# Altium PCB 606-100835-r03.pcbdoc (part 1 of 3)
Units mm, origin at the board's own origin, x right, y up, seen from the top; angles counter-clockwise.
Board outline 27 x 28.35 mm, 6 copper layers (Layer 1, Layer 2, Layer 3, Layer 4, Layer 5, Layer 6), stack 1.518 mm thick; 145 components, 197 nets, 755 pads, 438 vias.
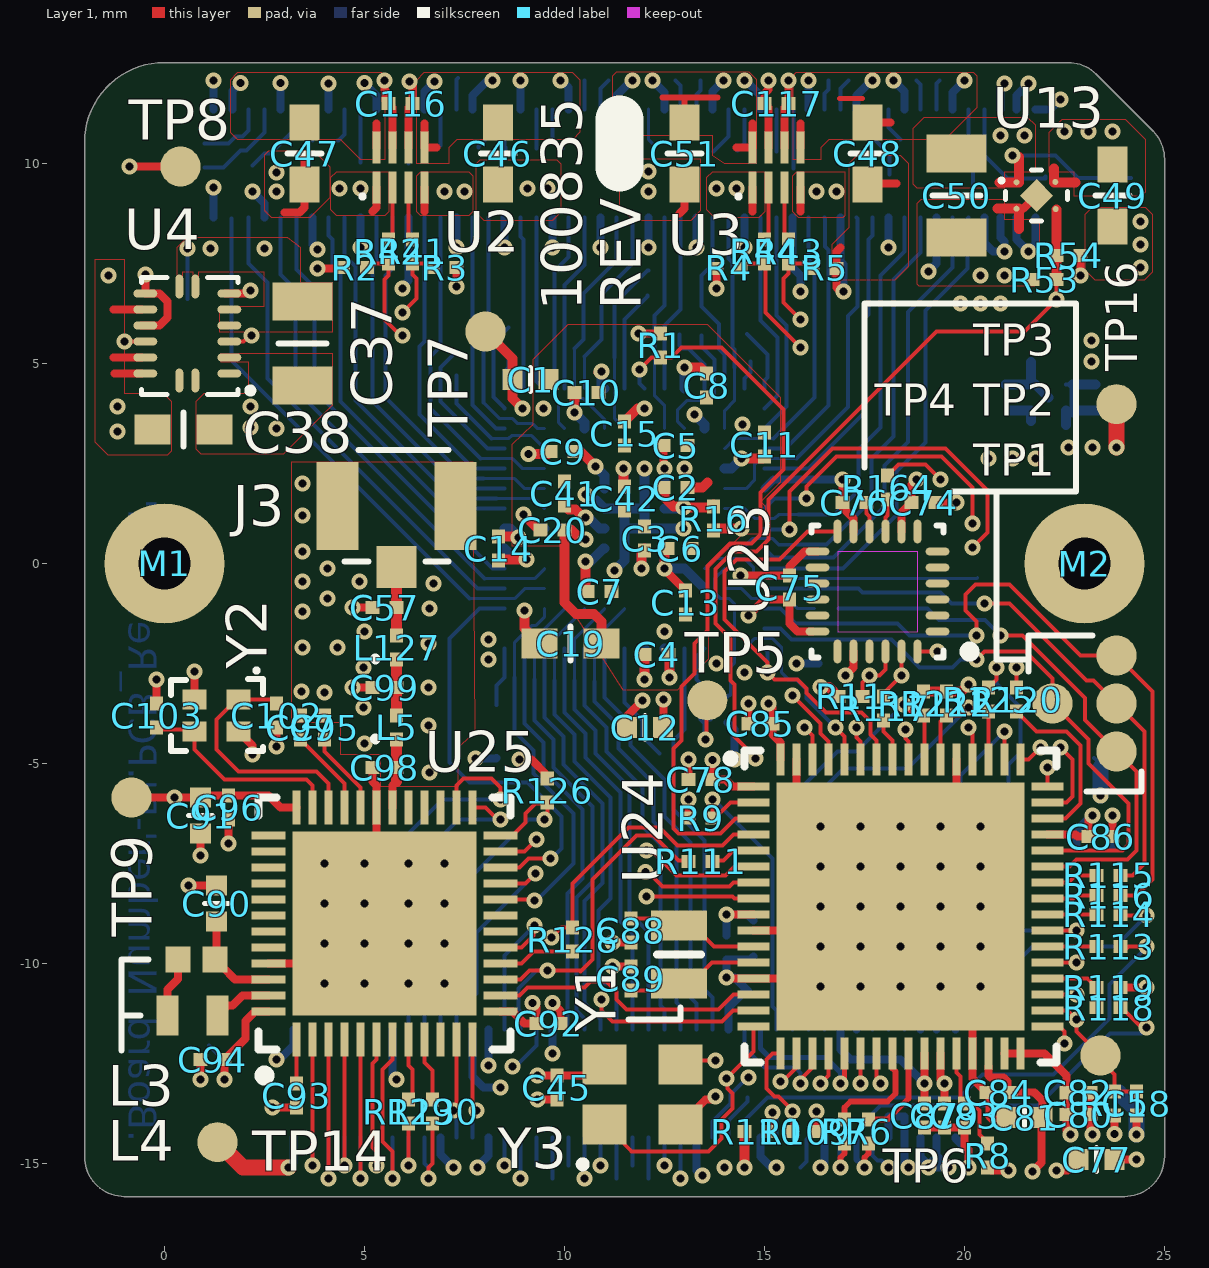
[diagram p0: Layer 1 view]
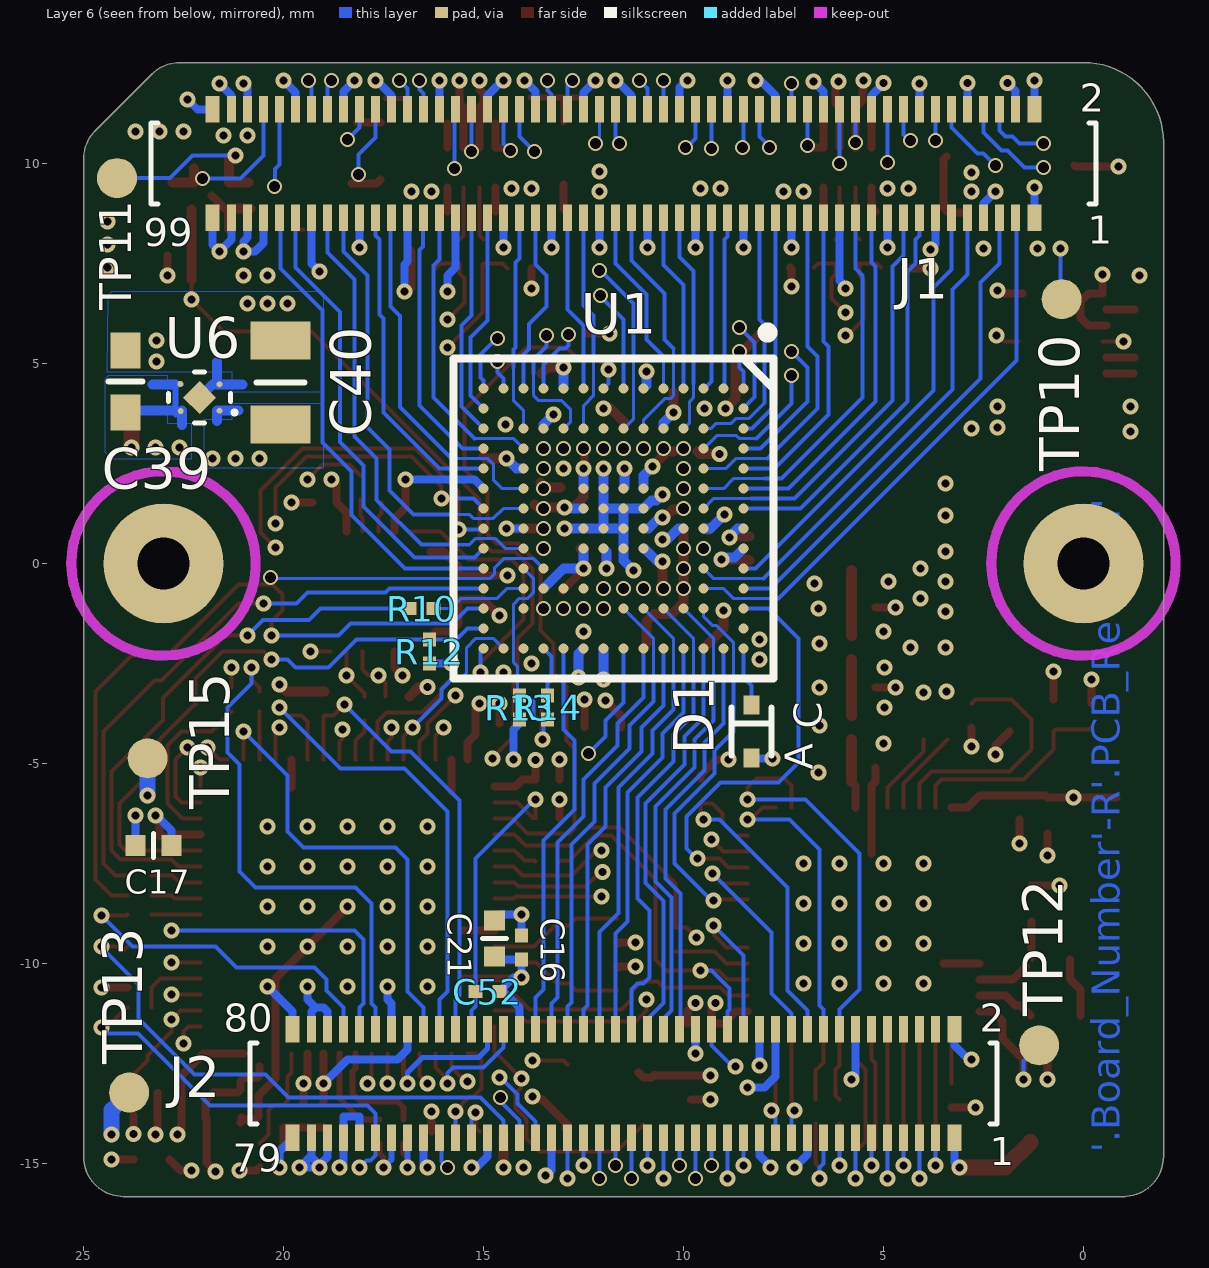
[diagram p1: Layer 6 view, seen from below]
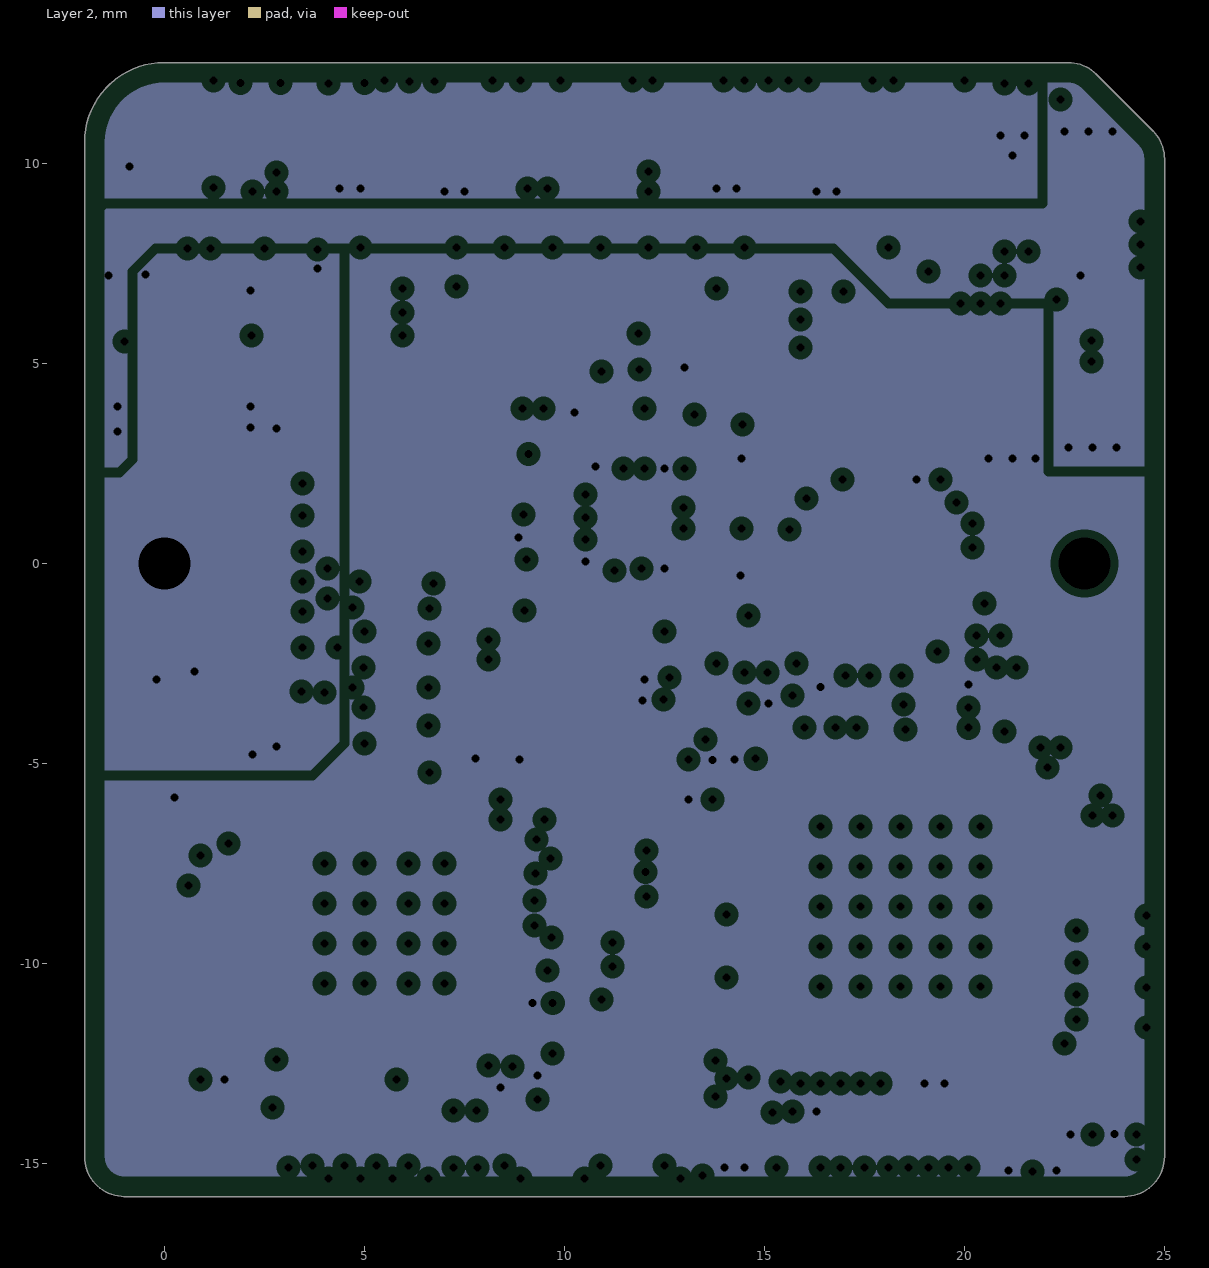
[diagram p2: Layer 2, clearances drawn from the general rule]
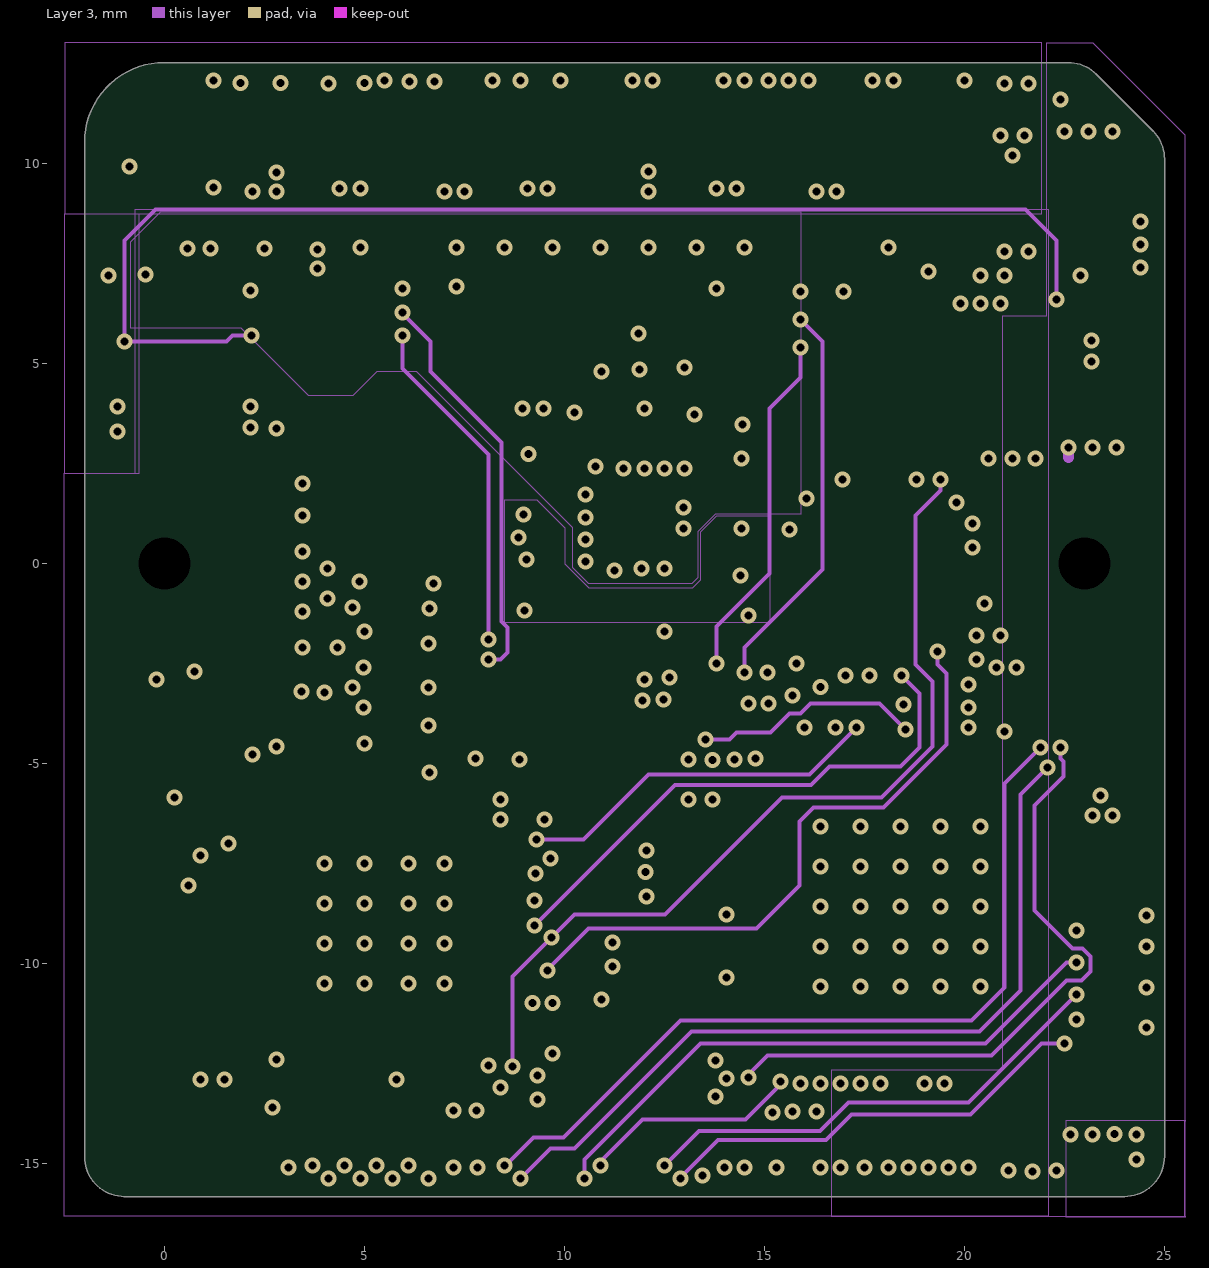
[diagram p3: Layer 3]
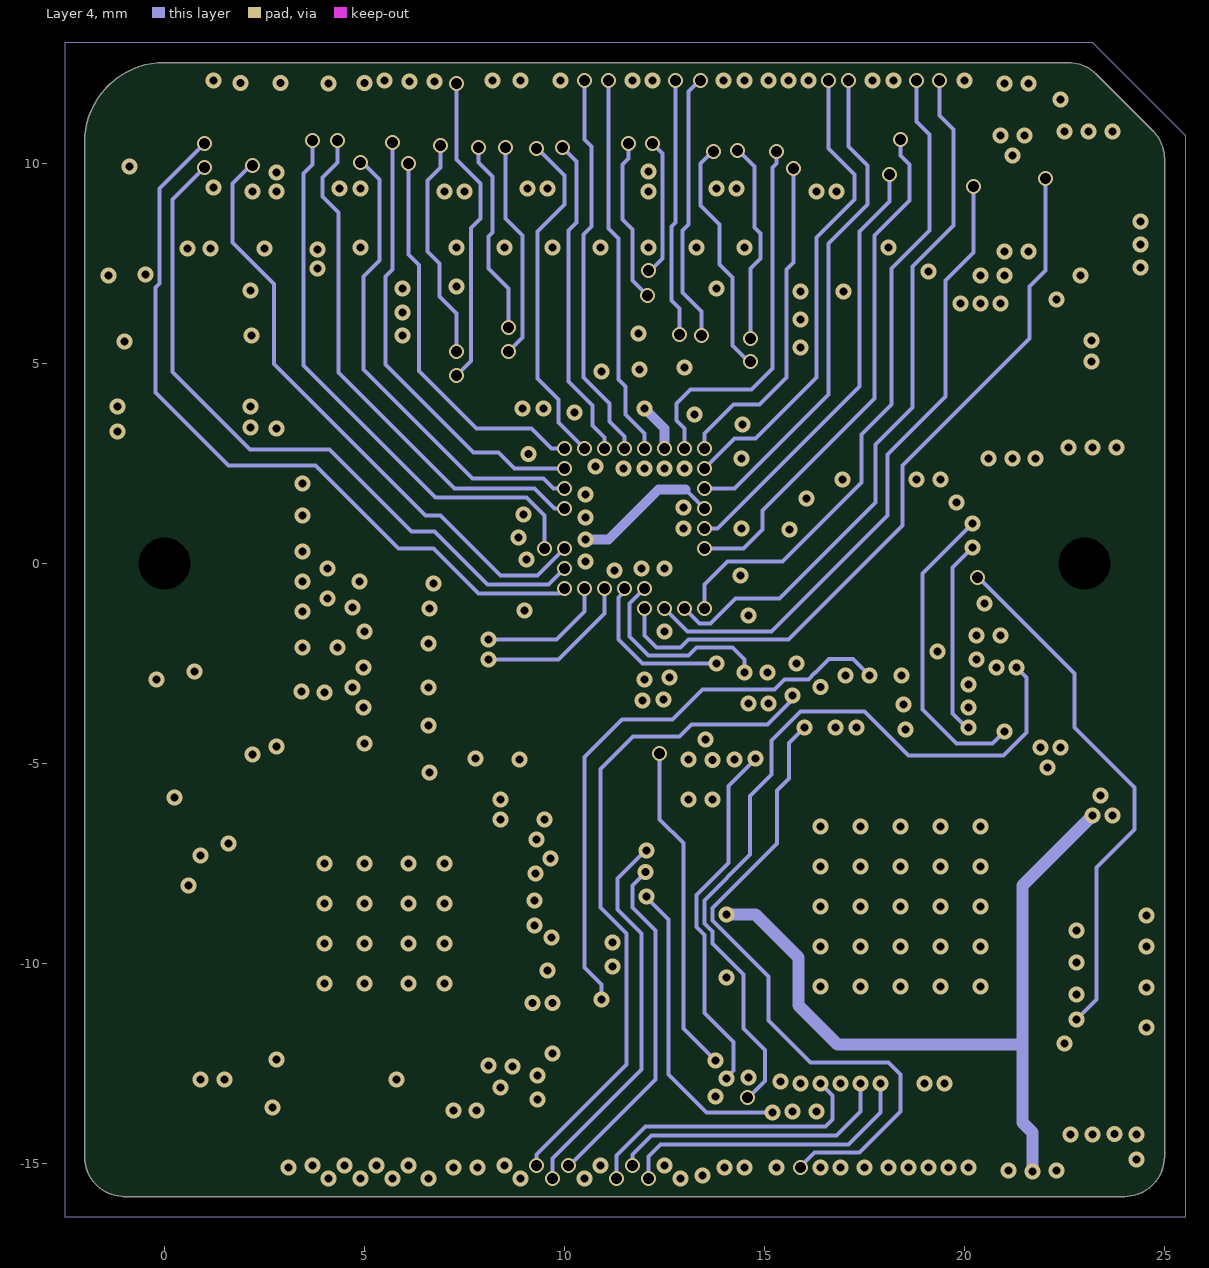
[diagram p4: Layer 4]
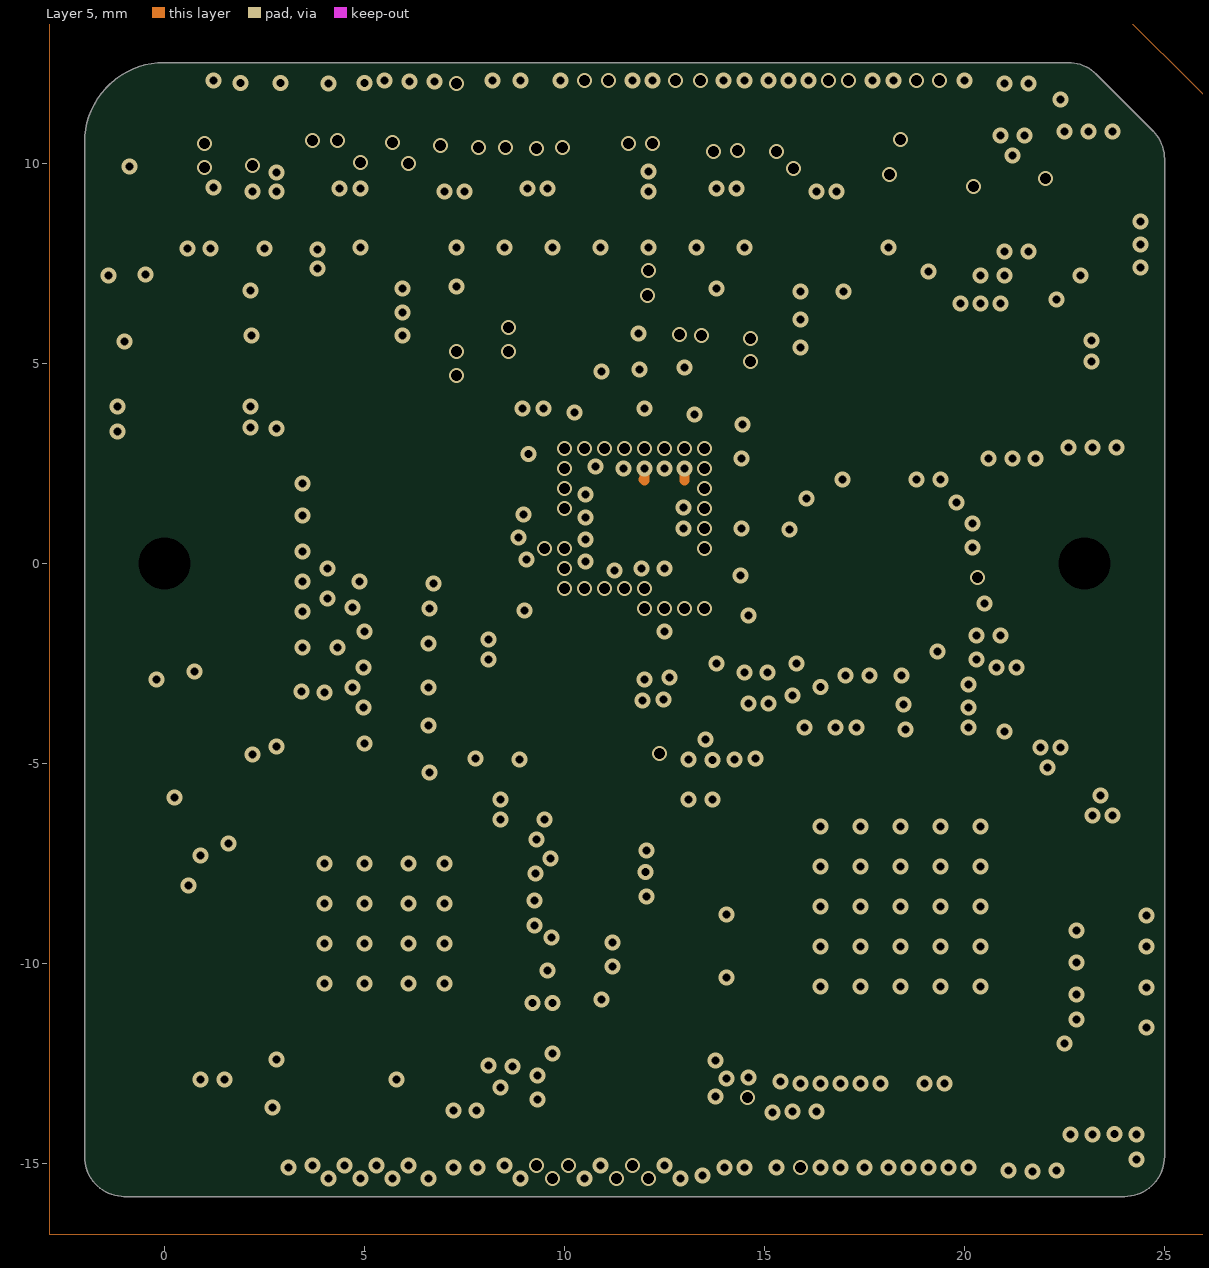
[diagram p5: Layer 5]

## Layer stack, top to bottom
Top Solder: solder mask 0.0178, Solder Resist, Dk 3.5
Layer 1: signal copper 0.0444
Dielectric 1: prepreg 0.0723, Dk 4.2
Layer 2: plane copper 0.0152, net (Multiple Nets)
Dielectric 2: core 0.1016, Dk 4.2
Layer 3: signal copper 0.0152
Dielectric 3: core 1.0205, Dk 4.2
Layer 4: signal copper 0.0152
Dielectric 4: core 0.1016, Dk 4.2
Layer 5: signal copper 0.0152
Dielectric 5: core 0.0716, Dk 4.2
Layer 6: signal copper 0.0444
Bottom Solder: solder mask 0.0178, Solder Resist, Dk 3.5

## Board outline
-2,-14.825 ccw(c-1,-14.825) -1,-15.825 -1.025,-15.825 24,-15.825 ccw(c24,-14.825) 25,-14.825 25,10.111 ccw(c24,10.111) 24.707,10.818 23.293,12.232 ccw(c22.586,11.525) 22.586,12.525 22.611,12.525 0,12.525 ccw(c0,10.525) -2,10.525 -2,10.5

## Design rules (kind name [scope] priority, off if disabled: settings)
AssemblyTestPointUsage [All] p0 off: scope1count=1 scope1_0_kind=Board scope1_0_value=Board scope2count=1 scope2_0_kind=Board scope2_0_value=Board commentlength=0
AssemblyTestPointUsage [All] p1 off:
AssemblyTestpoint [All] p0 off: scope1count=1 scope1_0_kind=Board scope1_0_value=Board scope2count=1 scope2_0_kind=Board scope2_0_value=Board commentlength=0
AssemblyTestpoint [All] p1 off: testpointundercomponent=TRUE minsize=1.016 maxsize=2.54 preferedsize=1.524 minholesize=0 maxholesize=1.016 preferedholesize=0.813 testpointgrid=0.025 usegrid=TRUE gridtolerance=0 allowsidetop=TRUE allowsidebottom=TRUE
BoardOutlineClearance [All] p0 off: scope1count=1 scope1_0_kind=Board scope1_0_value=Board scope2count=1 scope2_0_kind=Board scope2_0_value=Board commentlength=52 gap=0.25 // Protel DXP Scope 1 Expression Was: NOT IsKeepOut
BoardOutlineClearance [NOT IsKeepOut] p1: gap=0.25 except(0: Text-OutlineEdge)
Clearance thieving_1 [All] p0: scope1count=1 scope1_0_kind=Net scope1_0_value=thieving-temp scope2count=1 scope2_0_kind=Board scope2_0_value=Board commentlength=0 gap=0.3
Clearance U6andU13 [All] p0 off: scope1count=1 scope1_0_kind=PadClass scope1_0_value=U6andU13Clearance scope2count=1 scope2_0_kind=Board scope2_0_value=Board commentlength=57 gap=0.094 // Protel DXP Scope 2 Expression Was: IsRegion or InPoly
Clearance BGA_SPACING [All] p0 off: scope1count=1 scope1_0_kind=Board scope1_0_value=Board scope2count=1 scope2_0_kind=Layer scope2_0_value=BOTTOM commentlength=67 gap=0.083 // Protel DXP Scope 1 Expression Was: TouchesRoom('clearance_bga')
Clearance "keepout shapes" [All] p0 off: scope1count=1 scope1_0_kind=Board scope1_0_value=Board scope2count=1 scope2_0_kind=Board scope2_0_value=Board commentlength=48 gap=0 // Protel DXP Scope 1 Expression Was: IsKeepOut
Clearance [All] p0: scope1count=1 scope1_0_kind=Board scope1_0_value=Board scope2count=1 scope2_0_kind=Board scope2_0_value=Board commentlength=0 gap=0.1
Clearance thieving [All] p0 off: scope1count=1 scope1_0_kind=Board scope1_0_value=Board scope2count=1 scope2_0_kind=Board scope2_0_value=Board commentlength=65 gap=0.3 // Protel DXP Scope 1 Expression Was: InPolygonClass('thieving')
Clearance thieving [InPolygonClass('thieving')] p1: gap=0.3
Clearance thieving_1 [InNet('thieving-temp')] p2: gap=0.3
Clearance U6andU13 [InPadClass('U6andU13Clearance') vs IsRegion or InPoly] p3: gap=0.094
Clearance BGA_SPACING [TouchesRoom('clearance_bga') vs OnLayer('Layer 6')] p4: gap=0.083 except(0.05: SMDPad-Region)
Clearance "keepout shapes" [IsKeepOut] p5: gap=0
Clearance [All] p6: gap=0.1 except(0.2: Arc-Poly Track-Poly SMDPad-Poly THPad-Poly Via-Poly Fill-Poly Poly-Poly)
ComponentClearance [All] p0 off: scope1count=1 scope1_0_kind=Board scope1_0_value=Board scope2count=1 scope2_0_kind=Board scope2_0_value=Board commentlength=0 gap=0.2 collisioncheckmode=3
ComponentClearance [All] p1 off: gap=0.2 collisioncheckmode=3 verticalgap=0.127 showdistances=TRUE
DiffPairsRouting [All] p0 off: scope1count=1 scope1_0_kind=Board scope1_0_value=Board scope2count=1 scope2_0_kind=Board scope2_0_value=Board commentlength=77 // Protel DXP Scope 1 Expression Was: InDifferentialPairClass('90OHMS_DIFF')
DiffPairsRouting [InDifferentialPairClass('90OHMS_DIFF')] p1: maxlimit=0.152 minlimit=0.152 mostfreqgap=0.152 toplayer_minwidth=0.146 toplayer_maxwidth=0.146 toplayer_prefwidth=0.146 midlayer1_minwidth=0.146 midlayer1_maxwidth=0.146 midlayer1_prefwidth=0.146 midlayer3_minwidth=0.146 midlayer3_maxwidth=0.146 midlayer3_prefwidth=0.146 midlayer4_minwidth=0.146 midlayer4_maxwidth=0.146 midlayer4_prefwidth=0.146 bottomlayer_minwidth=0.146 bottomlayer_maxwidth=0.146 bottomlayer_prefwidth=0.146 maxuncoupledlength=12.7
FabricationTestPointUsage [All] p0 off: scope1count=1 scope1_0_kind=Board scope1_0_value=Board scope2count=1 scope2_0_kind=Board scope2_0_value=Board commentlength=0 valid=0 allowmultiple=FALSE
FabricationTestPointUsage [All] p1 off: valid=0 allowmultiple=FALSE
FabricationTestpoint [All] p0 off: scope1count=1 scope1_0_kind=Board scope1_0_value=Board scope2count=1 scope2_0_kind=Board scope2_0_value=Board commentlength=0 side=3 testpointundercomponent=TRUE minsize=1.016 maxsize=2.54 preferedsize=1.524 minholesize=0 maxholesize=1.016 preferedholesize=0.813 testpointgrid=0.025
FabricationTestpoint [All] p1 off: side=3 testpointundercomponent=TRUE minsize=1.016 maxsize=2.54 preferedsize=1.524 minholesize=0 maxholesize=1.016 preferedholesize=0.813 testpointgrid=0.025 allowsidetop=TRUE allowsidebottom=TRUE usegrid=TRUE gridtolerance=0
FanoutControl Fanout_Default [All] p0: scope1count=1 scope1_0_kind=Board scope1_0_value=Board scope2count=1 scope2_0_kind=Board scope2_0_value=Board commentlength=30 // Fanout_Default (Default Rule)
FanoutControl Fanout_Small [All] p0 off: scope1count=1 scope1_0_kind=Board scope1_0_value=Board scope2count=1 scope2_0_kind=Board scope2_0_value=Board commentlength=84 // Protel DXP Scope 1 Expression Was: (CompPinCount < 5)   Fanout_Small (Default Rule)
FanoutControl Fanout_SOIC [All] p0 off: scope1count=1 scope1_0_kind=Board scope1_0_value=Board scope2count=1 scope2_0_kind=Board scope2_0_value=Board commentlength=71 // Protel DXP Scope 1 Expression Was: IsSOIC   Fanout_SOIC (Default Rule)
FanoutControl Fanout_LCC [All] p0 off: scope1count=1 scope1_0_kind=Board scope1_0_value=Board scope2count=1 scope2_0_kind=Board scope2_0_value=Board commentlength=69 // Protel DXP Scope 1 Expression Was: IsLCC   Fanout_LCC (Default Rule)
FanoutControl Fanout_BGA [All] p0 off: scope1count=1 scope1_0_kind=Board scope1_0_value=Board scope2count=1 scope2_0_kind=Board scope2_0_value=Board commentlength=69 // Protel DXP Scope 1 Expression Was: IsBGA   Fanout_BGA (Default Rule)
Height [All] p0: scope1count=1 scope1_0_kind=Board scope1_0_value=Board scope2count=1 scope2_0_kind=Board scope2_0_value=Board commentlength=0
HoleSize [All] p0: scope1count=1 scope1_0_kind=Board scope1_0_value=Board scope2count=1 scope2_0_kind=Board scope2_0_value=Board commentlength=0 absolutevalues=TRUE maxlimit=6 minlimit=0.025 maxpercent=80.000 minpercent=20.000
HoleSize [All] p1: absolutevalues=TRUE maxlimit=6 minlimit=0.025 maxpercent=80.000 minpercent=20.000
HoleToHoleClearance HoleToHoleClearance_1 [All] p0 off: scope1count=1 scope1_0_kind=Board scope1_0_value=Board scope2count=1 scope2_0_kind=Board scope2_0_value=Board commentlength=76 // Protel DXP Scope 2 Expression Was: InDrillLayerPair('Layer 5 - Layer 6')
HoleToHoleClearance [All] p0: scope1count=1 scope1_0_kind=Board scope1_0_value=Board scope2count=1 scope2_0_kind=Board scope2_0_value=Board commentlength=0
HoleToHoleClearance HoleToHoleClearance_1 [InDrillLayerPair('Layer 5 - Layer 4') vs InDrillLayerPair('Layer 5 - Layer 6')] p1: gap=0 allowstackedmicrovias=TRUE
HoleToHoleClearance [All] p2: gap=0.2 allowstackedmicrovias=TRUE
LayerPairs [All] p0: scope1count=1 scope1_0_kind=Board scope1_0_value=Board scope2count=1 scope2_0_kind=Board scope2_0_value=Board commentlength=0 enforce=TRUE
MinimumSolderMaskSliver [All] p0: scope1count=1 scope1_0_kind=Board scope1_0_value=Board scope2count=1 scope2_0_kind=Board scope2_0_value=Board commentlength=0
MinimumSolderMaskSliver [All] p1: minsoldermaskwidth=0.005
NetAntennae [All] p0: scope1count=1 scope1_0_kind=Board scope1_0_value=Board scope2count=1 scope2_0_kind=Board scope2_0_value=Board commentlength=0
PasteMaskExpansion [All] p0: scope1count=1 scope1_0_kind=Board scope1_0_value=Board scope2count=1 scope2_0_kind=Board scope2_0_value=Board commentlength=0 expansion=0
PlaneClearance [All] p0: scope1count=1 scope1_0_kind=Board scope1_0_value=Board scope2count=1 scope2_0_kind=Board scope2_0_value=Board commentlength=0 clearance=0.203
PlaneClearance [All] p1: clearance=0.203
PlaneConnect [All] p0: scope1count=1 scope1_0_kind=Board scope1_0_value=Board scope2count=1 scope2_0_kind=Board scope2_0_value=Board commentlength=0 planeconnectstyle=Direct reliefexpansion=0.508 reliefentries=4 reliefconductorwidth=0.254 reliefairgap=0.254
PlaneConnect [All] p1: planeconnectstyle=Direct reliefexpansion=0.508 reliefentries=4 reliefconductorwidth=0.254 reliefairgap=0.254
PolygonConnect notherm [All] p0 off: scope1count=1 scope1_0_kind=Board scope1_0_value=Board scope2count=1 scope2_0_kind=Board scope2_0_value=Board commentlength=64 connectstyle=Direct reliefconductorwidth=0.254 reliefentries=4 polygonreliefangle="90 Angle" // Protel DXP Scope 1 Expression Was: InPolygonClass('Notherm')
PolygonConnect PolygonConnect_Flood [All] p0 off: scope1count=1 scope1_0_kind=Board scope1_0_value=Board scope2count=1 scope2_0_kind=Net scope2_0_value=GND commentlength=44 connectstyle=Direct reliefconductorwidth=0.254 reliefentries=4 polygonreliefangle="90 Angle" // Protel DXP Scope 1 Expression Was: OnMid
PolygonConnect [All] p0: scope1count=1 scope1_0_kind=Board scope1_0_value=Board scope2count=1 scope2_0_kind=Board scope2_0_value=Board commentlength=0 connectstyle=Relief reliefconductorwidth=0.2 reliefentries=4 polygonreliefangle="90 Angle"
PolygonConnect Viaconnect [All] p0 off: scope1count=1 scope1_0_kind=Board scope1_0_value=Board scope2count=1 scope2_0_kind=Board scope2_0_value=Board commentlength=48 connectstyle=Direct reliefconductorwidth=0.254 reliefentries=4 polygonreliefangle="90 Angle" // Protel DXP Scope 2 Expression Was: ispolygon
PolygonConnect notherm [InPolygonClass('Notherm')] p1: connectstyle=Direct reliefconductorwidth=0.254 reliefentries=4 polygonreliefangle="90 Angle" airgapwidth=0.254
PolygonConnect PolygonConnect_Flood [OnMid vs InNet('GND')] p2: connectstyle=Direct reliefconductorwidth=0.254 reliefentries=4 polygonreliefangle="90 Angle" airgapwidth=0.254
PolygonConnect Viaconnect [isvia vs ispolygon] p3: connectstyle=Direct reliefconductorwidth=0.254 reliefentries=4 polygonreliefangle="90 Angle" airgapwidth=0.254
PolygonConnect [All] p4: connectstyle=Relief reliefconductorwidth=0.2 reliefentries=4 polygonreliefangle="90 Angle" airgapwidth=0.1
RoomDefinition clearance_bga [All] p0: scope1count=1 scope1_0_kind=Footprint scope1_0_value=LATC-csBGA-132 scope2count=1 scope2_0_kind=Board scope2_0_value=Board commentlength=0 region_x1=121034540 region_y1=55991951 region_x2=125443988 region_y2=60480140 confinementstyle=ConfineIn
RoomDefinition U_FPGA_IO [All] p0: scope1count=1 scope1_0_kind=ComponentClass scope1_0_value=U_FPGA_IO scope2count=1 scope2_0_kind=Board scope2_0_value=Board commentlength=0 region_x1=119753937 region_y1=51612030 region_x2=128464567 region_y2=62480315 confinementstyle=ConfineIn
RoomDefinition U_FPGA_Power [All] p0: scope1count=1 scope1_0_kind=ComponentClass scope1_0_value=U_FPGA_Power scope2count=1 scope2_0_kind=Board scope2_0_value=Board commentlength=0 region_x1=121161417 region_y1=55590551 region_x2=124803150 region_y2=59822835 confinementstyle=ConfineIn
RoomDefinition U_MCU_IMU [All] p0: scope1count=1 scope1_0_kind=ComponentClass scope1_0_value=U_MCU_IMU scope2count=1 scope2_0_kind=Board scope2_0_value=Board commentlength=0 region_x1=123110236 region_y1=51624016 region_x2=128316930 region_y2=60216536 confinementstyle=ConfineIn
RoomDefinition U_NorthSide [All] p0: scope1count=1 scope1_0_kind=ComponentClass scope1_0_value=U_NorthSide scope2count=1 scope2_0_kind=Board scope2_0_value=Board commentlength=0 region_x1=118049189 region_y1=60694471 region_x2=129068240 region_y2=62627956 confinementstyle=ConfineIn
RoomDefinition U_PowerCore [All] p0: scope1count=1 scope1_0_kind=ComponentClass scope1_0_value=U_PowerCore scope2count=1 scope2_0_kind=Board scope2_0_value=Board commentlength=0 region_x1=117972441 region_y1=57027559 region_x2=128503937 region_y2=62106300 confinementstyle=ConfineIn
RoomDefinition U_RADIO [All] p0: scope1count=1 scope1_0_kind=ComponentClass scope1_0_value=U_RADIO scope2count=1 scope2_0_kind=Board scope2_0_value=Board commentlength=0 region_x1=118336614 region_y1=52057087 region_x2=122913386 region_y2=59064961 confinementstyle=ConfineIn
RoomDefinition U_SouthSide [All] p0: scope1count=1 scope1_0_kind=ComponentClass scope1_0_value=U_SouthSide scope2count=1 scope2_0_kind=Board scope2_0_value=Board commentlength=0 region_x1=119023599 region_y1=51639353 region_x2=127818240 region_y2=53579110 confinementstyle=ConfineIn
RoomDefinition clearance_bga [HasFootprint('LATC-csBGA-132')] p1: confinementstyle=ConfineIn formatcopy=TRUE lockcomponents=FALSE outline 5.9,6.9 17.1,6.9 17.1,-4.5 5.9,-4.5
RoomDefinition U_SouthSide [InComponentClass('U_SouthSide')] p2: confinementstyle=ConfineIn formatcopy=TRUE lockcomponents=FALSE outline 0.792,-15.556 0.792,-10.629 23.131,-10.629 23.131,-15.556
RoomDefinition U_RADIO [InComponentClass('U_RADIO')] p3: confinementstyle=ConfineIn formatcopy=TRUE lockcomponents=FALSE outline -0.953,-14.495 10.672,-14.495 10.672,3.305 -0.953,3.305
RoomDefinition U_PowerCore [InComponentClass('U_PowerCore')] p4: confinementstyle=ConfineIn formatcopy=TRUE lockcomponents=FALSE outline -1.878,-1.87 24.872,-1.87 24.872,11.03 -1.878,11.03
RoomDefinition U_NorthSide [InComponentClass('U_NorthSide')] p5: confinementstyle=ConfineIn formatcopy=TRUE lockcomponents=FALSE outline -1.683,7.444 -1.683,12.355 26.306,12.355 26.306,7.444
RoomDefinition U_MCU_IMU [InComponentClass('U_MCU_IMU')] p6: confinementstyle=ConfineIn formatcopy=TRUE lockcomponents=FALSE outline 11.172,-15.595 24.397,-15.595 24.397,6.23 11.172,6.23
RoomDefinition U_FPGA_Power [InComponentClass('U_FPGA_Power')] p7: confinementstyle=ConfineIn formatcopy=TRUE lockcomponents=FALSE outline 6.222,-5.52 15.472,-5.52 15.472,5.23 6.222,5.23
RoomDefinition U_FPGA_IO [InComponentClass('U_FPGA_IO')] p8: confinementstyle=ConfineIn formatcopy=TRUE lockcomponents=FALSE outline 2.647,-15.625 24.772,-15.625 24.772,11.98 2.647,11.98
RoutingCorners [All] p0: scope1count=1 scope1_0_kind=Board scope1_0_value=Board scope2count=1 scope2_0_kind=Board scope2_0_value=Board commentlength=0 cornerstyle=45-Degree minsetback=2.54 maxsetback=2.54
RoutingLayers [All] p0: scope1count=1 scope1_0_kind=Board scope1_0_value=Board scope2count=1 scope2_0_kind=Board scope2_0_value=Board commentlength=0 top layer=Automatic mid layer 1=Automatic mid layer 3=Automatic mid layer 4=Automatic bottom layer=Automatic
RoutingPriority [All] p0: scope1count=1 scope1_0_kind=Board scope1_0_value=Board scope2count=1 scope2_0_kind=Board scope2_0_value=Board commentlength=0